# EAGLE board working (EAGLE 9.6.2), part 13 of 28
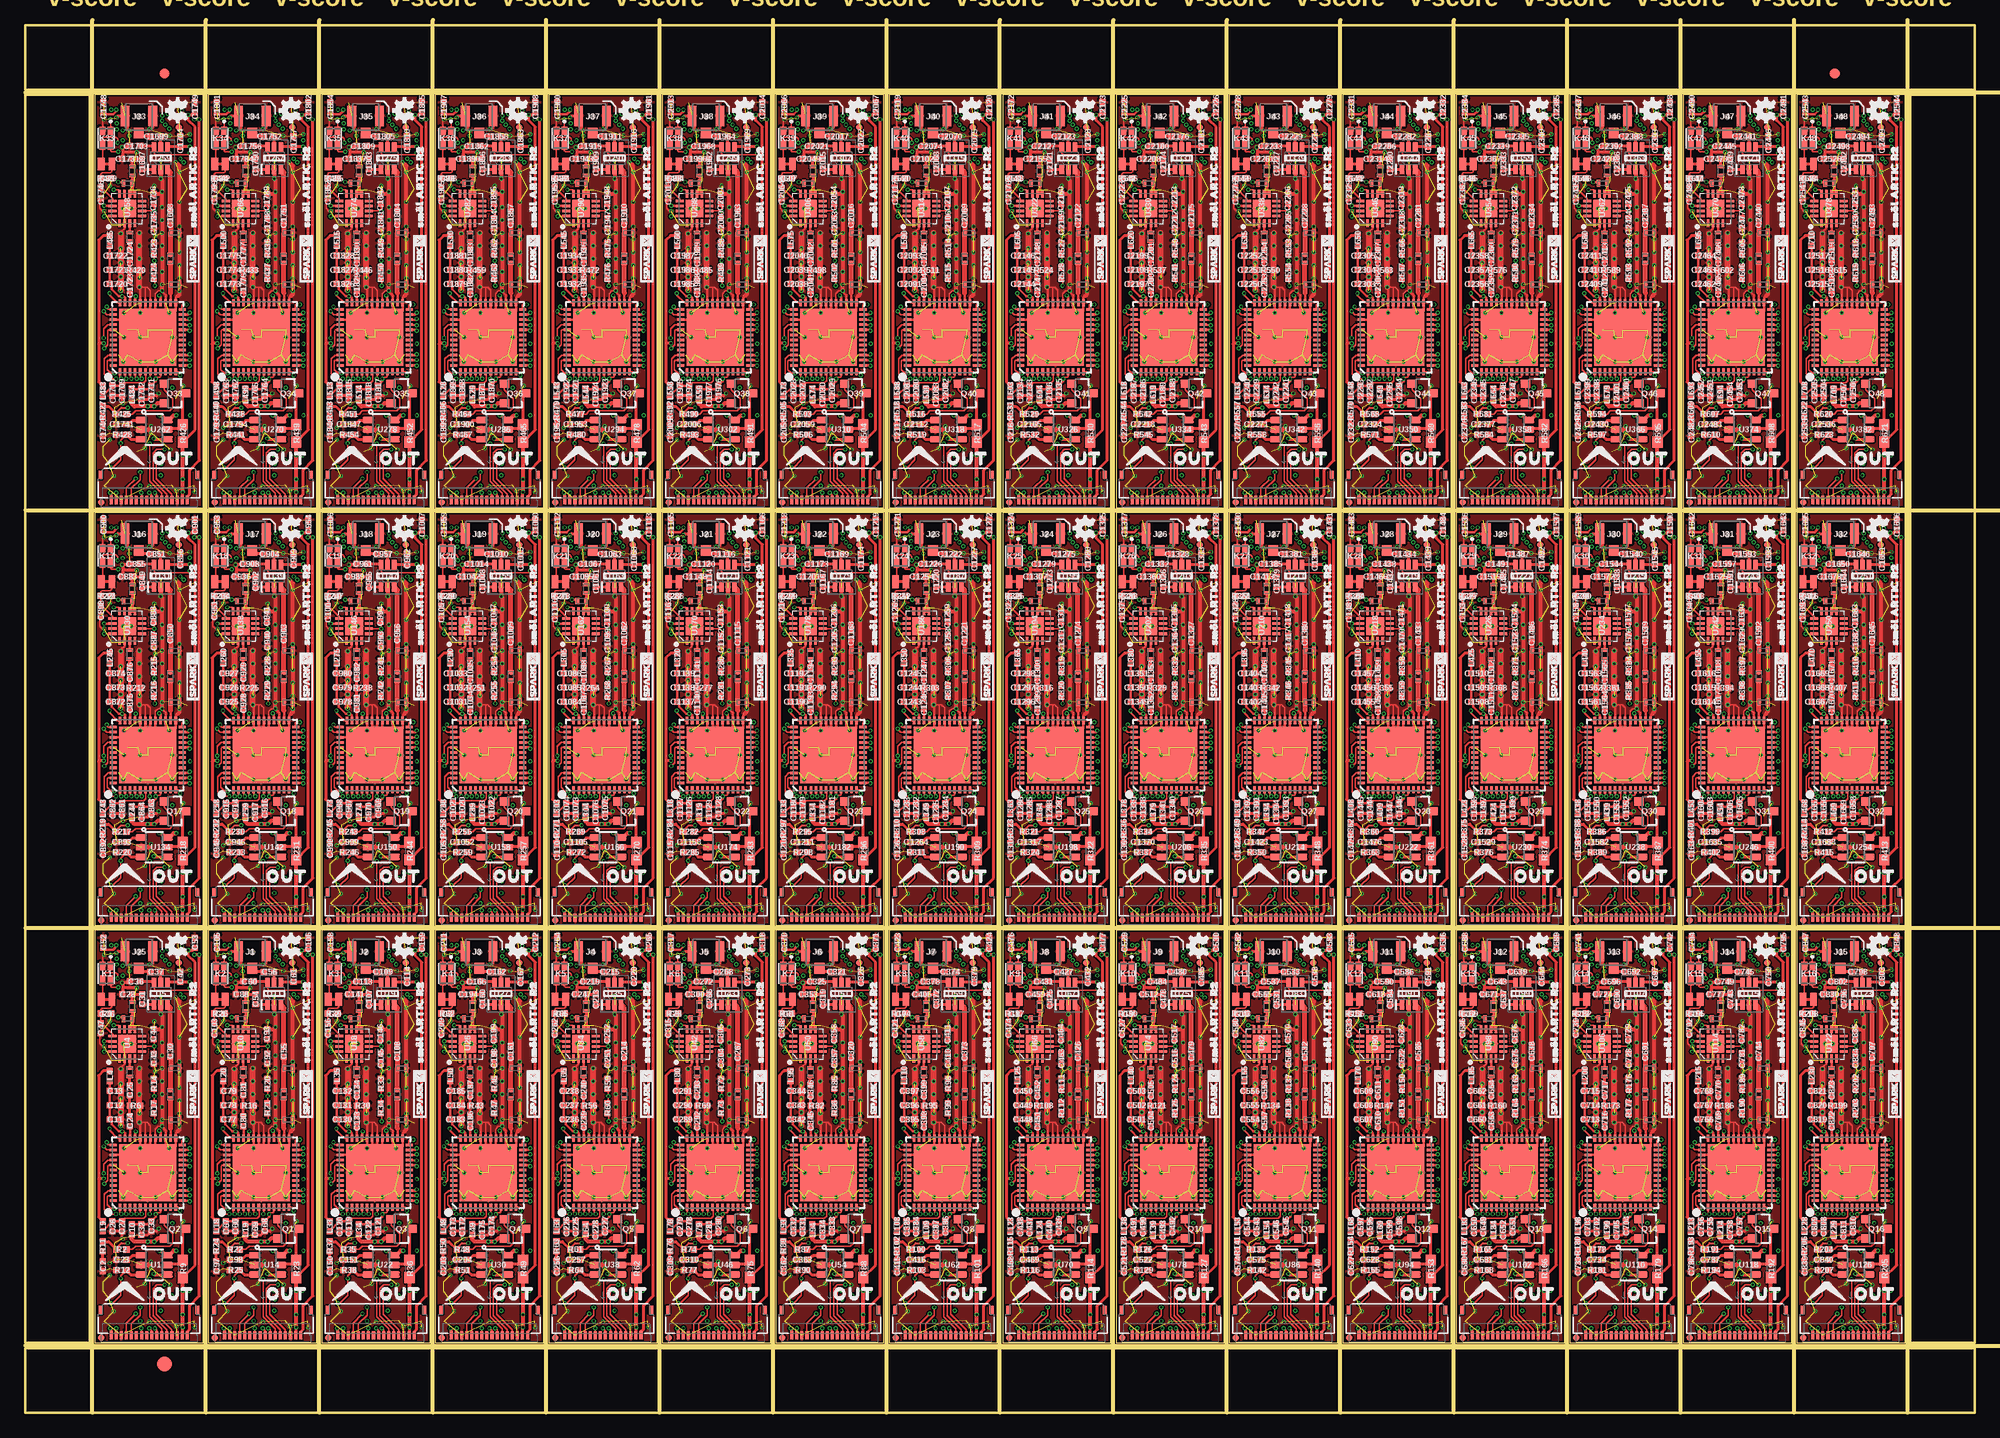
[diagram p0: board, top side]
## Tracks (layer width: path | path; a pad name or v marks a point on that pad's centre or on a via) (continued)
CS24  (via drill 0.2) (continued)
  Route15 0.127: 100,42.01 100,41.68 100.51,41.18 100.51,36.32 100.12,35.94 99,35.94 98.68,35.62 98.68,34.75 98.11,34.18 98.11,29.36 98.53,28.93 98.7,28.93 99.5,28.12 99.5,20.32 99.35,20.17 v99.35,19.56 | 100,42.01 100.51,42.51 100.51,44.67 102.31,46.47 103.95,46.47 104.28,46.14 104.28,45.81 103.43,44.96 v102.87,44.96 | v98.99,43.03 98.99,43.02 100,42.01
  Bottom 0.152: IN8.7 102.35,45.43 102.82,44.96 v102.87,44.96 | v98.99,43.03 98.94,43.03 98.78,43.19 97.67,43.19 CS8.1
CS25  (via drill 0.2)
  Top 0.152: OUT8.7 102.35,8.14 v102.17,8.32
  Route15 0.152: v103.19,44.57 103.77,44.57 105.16,43.18 105.16,41.69 105.74,41.1 105.74,26.75 105.09,26.1 105.09,24.18 105.4,23.87 106.06,23.87 106.3,23.62 106.3,11.68 102.93,8.32 v102.17,8.32
  Bottom 0.152: IN8.8 101.85,45.43 102.71,44.57 103.03,44.57 v103.19,44.57
CS26  (via drill 0.2)
  Top 0.152: OUT8.8 101.85,8.07 v101.6,8.32
  Route15 0.152: v103.57,44.18 104.88,42.87 104.88,41.57 105.46,40.99 105.46,27.61 104.71,26.86 104.71,24.13 105.26,23.59 105.87,23.59 106.02,23.43 106.02,11.8 102.93,8.71 101.99,8.71 v101.6,8.32
  Bottom 0.152: IN8.9 101.35,45.53 102.7,44.18 v103.57,44.18
CS27  (via drill 0.2)
  Top 0.152: U73.2 110.4,19.69 v110.53,19.56
  Route15 0.127: 111.18,42.01 111.18,41.68 111.68,41.18 111.68,36.32 111.3,35.94 110.17,35.94 109.86,35.62 109.86,34.75 109.28,34.18 109.28,29.36 109.71,28.93 109.87,28.93 110.68,28.12 110.68,20.32 110.53,20.17 v110.53,19.56 | 111.18,42.01 111.68,42.51 111.68,44.67 113.49,46.47 115.12,46.47 115.45,46.14 115.45,45.81 114.6,44.96 v114.05,44.96 | v110.17,43.03 110.17,43.02 111.18,42.01
  Bottom 0.152: IN9.7 113.53,45.43 114,44.96 v114.05,44.96 | v110.17,43.03 110.12,43.03 109.95,43.19 108.85,43.19 CS9.1
CS28  (via drill 0.2)
  Top 0.152: OUT9.7 113.53,8.14 v113.35,8.32
  Route15 0.152: v114.37,44.57 114.94,44.57 116.33,43.18 116.33,41.69 116.92,41.1 116.92,26.75 116.27,26.1 116.27,24.18 116.58,23.87 117.23,23.87 117.48,23.62 117.48,11.68 114.11,8.32 v113.35,8.32
  Bottom 0.152: IN9.8 113.03,45.43 113.88,44.57 114.21,44.57 v114.37,44.57
CS29  (via drill 0.2)
  Top 0.152: OUT9.8 113.03,8.07 v112.78,8.32
  Route15 0.152: v114.75,44.18 116.05,42.87 116.05,41.57 116.64,40.99 116.64,27.61 115.89,26.86 115.89,24.13 116.43,23.59 117.04,23.59 117.2,23.43 117.2,11.8 114.11,8.71 113.17,8.71 v112.78,8.32
  Bottom 0.152: IN9.9 112.53,45.53 113.88,44.18 v114.75,44.18
CS30  (via drill 0.2)
  Top 0.152: U81.2 121.58,19.69 v121.7,19.56
  Route15 0.127: 122.35,42.01 122.35,41.68 122.86,41.18 122.86,36.32 122.48,35.94 121.35,35.94 121.03,35.62 121.03,34.75 120.46,34.18 120.46,29.36 120.89,28.93 121.05,28.93 121.86,28.12 121.86,20.32 121.7,20.17 v121.7,19.56 | 122.35,42.01 122.86,42.51 122.86,44.67 124.66,46.47 126.3,46.47 126.63,46.14 126.63,45.81 125.78,44.96 v125.22,44.96 | v121.34,43.03 121.34,43.02 122.35,42.01
  Bottom 0.152: IN10.7 124.7,45.43 125.17,44.96 v125.22,44.96 | v121.34,43.03 121.29,43.03 121.13,43.19 120.03,43.19 CS10.1
CS31  (via drill 0.2)
  Top 0.152: OUT10.7 124.7,8.14 v124.52,8.32
  Route15 0.152: v125.55,44.57 126.12,44.57 127.51,43.18 127.51,41.69 128.09,41.1 128.09,26.75 127.45,26.1 127.45,24.18 127.76,23.87 128.41,23.87 128.65,23.62 128.65,11.68 125.29,8.32 v124.52,8.32
  Bottom 0.152: IN10.8 124.2,45.43 125.06,44.57 125.38,44.57 125.39,44.57 v125.55,44.57
CS32  (via drill 0.2)
  Top 0.152: OUT10.8 124.2,8.07 v123.95,8.32
  Route15 0.152: v125.92,44.18 127.23,42.87 127.23,41.57 127.81,40.99 127.81,27.61 127.06,26.86 127.06,24.13 127.61,23.59 128.22,23.59 128.37,23.43 128.37,11.8 125.28,8.71 124.34,8.71 v123.95,8.32
  Bottom 0.152: IN10.9 123.7,45.53 125.06,44.18 v125.92,44.18
CS33  (via drill 0.2)
  Top 0.152: U89.2 132.75,19.69 v132.88,19.56
  Route15 0.127: 133.53,42.01 133.53,41.68 134.03,41.18 134.03,36.32 133.65,35.94 132.52,35.94 132.21,35.62 132.21,34.75 131.64,34.18 131.64,29.36 132.06,28.93 132.22,28.93 133.03,28.12 133.03,20.32 132.88,20.17 v132.88,19.56 | 133.53,42.01 134.03,42.51 134.03,44.67 135.84,46.47 137.47,46.47 137.81,46.14 137.81,45.81 136.96,44.96 v136.4,44.96 | v132.52,43.03 132.52,43.02 133.53,42.01
  Bottom 0.152: IN11.7 135.88,45.43 136.35,44.96 v136.4,44.96 | v132.52,43.03 132.47,43.03 132.31,43.19 131.2,43.19 CS11.1
CS34  (via drill 0.2)
  Top 0.152: OUT11.7 135.88,8.14 v135.7,8.32
  Route15 0.152: v136.72,44.57 137.29,44.57 138.68,43.18 138.68,41.69 139.27,41.1 139.27,26.75 138.62,26.1 138.62,24.18 138.93,23.87 139.58,23.87 139.83,23.62 139.83,11.68 136.46,8.32 v135.7,8.32
  Bottom 0.152: IN11.8 135.38,45.43 136.24,44.57 136.56,44.57 v136.72,44.57
CS35  (via drill 0.2)
  Top 0.152: OUT11.8 135.38,8.07 v135.13,8.32
  Route15 0.152: v137.1,44.18 138.41,42.87 138.41,41.57 138.99,40.99 138.99,27.61 138.24,26.86 138.24,24.13 138.78,23.59 139.39,23.59 139.55,23.43 139.55,11.8 136.46,8.71 135.52,8.71 v135.13,8.32
  Bottom 0.152: IN11.9 134.88,45.53 136.23,44.18 v137.1,44.18
CS36  (via drill 0.2)
  Top 0.152: U97.2 143.93,19.69 v144.06,19.56
  Route15 0.127: 144.71,42.01 144.71,41.68 145.21,41.18 145.21,36.32 144.83,35.94 143.7,35.94 143.38,35.62 143.38,34.75 142.81,34.18 142.81,29.36 143.24,28.93 143.4,28.93 144.21,28.12 144.21,20.32 144.06,20.17 v144.06,19.56 | 144.71,42.01 145.21,42.51 145.21,44.67 147.01,46.47 148.65,46.47 148.98,46.14 148.98,45.81 148.13,44.96 v147.57,44.96 | v143.7,43.03 143.7,43.02 144.71,42.01
  Bottom 0.152: IN12.7 147.05,45.43 147.52,44.96 v147.57,44.96 | v143.7,43.03 143.65,43.03 143.48,43.19 142.38,43.19 CS12.1
CS37  (via drill 0.2)
  Top 0.152: OUT12.7 147.05,8.14 v146.88,8.32
  Route15 0.152: v147.9,44.57 148.47,44.57 149.86,43.18 149.86,41.69 150.44,41.1 150.44,26.75 149.8,26.1 149.8,24.18 150.11,23.87 150.76,23.87 151,23.62 151,11.68 147.64,8.32 v146.88,8.32
  Bottom 0.152: IN12.8 146.55,45.43 147.41,44.57 147.74,44.57 v147.9,44.57
CS38  (via drill 0.2)
  Top 0.152: OUT12.8 146.55,8.07 v146.3,8.32
  Route15 0.152: v148.28,44.18 149.58,42.87 149.58,41.57 150.16,40.99 150.16,27.61 149.42,26.86 149.42,24.13 149.96,23.59 150.57,23.59 150.72,23.43 150.72,11.8 147.63,8.71 146.69,8.71 v146.3,8.32
  Bottom 0.152: IN12.9 146.05,45.53 147.41,44.18 v148.28,44.18
CS39  (via drill 0.2)
  Top 0.152: U105.2 155.1,19.69 v155.23,19.56
  Route15 0.127: 155.88,42.01 155.88,41.68 156.39,41.18 156.39,36.32 156,35.94 154.88,35.94 154.56,35.62 154.56,34.75 153.99,34.18 153.99,29.36 154.41,28.93 154.58,28.93 155.38,28.12 155.38,20.32 155.23,20.17 v155.23,19.56 | 155.88,42.01 156.39,42.51 156.39,44.67 158.19,46.47 159.83,46.47 160.16,46.14 160.16,45.81 159.31,44.96 v158.75,44.96 | v154.87,43.03 154.87,43.02 155.88,42.01
  Bottom 0.152: IN13.7 158.23,45.43 158.7,44.96 v158.75,44.96 | v154.87,43.03 154.82,43.03 154.66,43.19 153.55,43.19 CS13.1
CS40  (via drill 0.2)
  Top 0.152: OUT13.7 158.23,8.14 v158.05,8.32
  Route15 0.152: v159.07,44.57 159.65,44.57 161.04,43.18 161.04,41.69 161.62,41.1 161.62,26.75 160.97,26.1 160.97,24.18 161.28,23.87 161.94,23.87 162.18,23.62 162.18,11.68 158.81,8.32 v158.05,8.32
  Bottom 0.152: IN13.8 157.73,45.43 158.59,44.57 158.91,44.57 v159.07,44.57
CS41  (via drill 0.2)
  Top 0.152: OUT13.8 157.73,8.07 v157.48,8.32
  Route15 0.152: v159.45,44.18 160.76,42.87 160.76,41.57 161.34,40.99 161.34,27.61 160.59,26.86 160.59,24.13 161.14,23.59 161.75,23.59 161.9,23.43 161.9,11.8 158.81,8.71 157.87,8.71 v157.48,8.32
  Bottom 0.152: IN13.9 157.23,45.53 158.59,44.18 v159.45,44.18
CS42  (via drill 0.2)
  Top 0.152: U113.2 166.28,19.69 v166.41,19.56
  Route15 0.127: 167.06,42.01 167.06,41.68 167.56,41.18 167.56,36.32 167.18,35.94 166.05,35.94 165.74,35.62 165.74,34.75 165.16,34.18 165.16,29.36 165.59,28.93 165.75,28.93 166.56,28.12 166.56,20.32 166.41,20.17 v166.41,19.56 | 167.06,42.01 167.56,42.51 167.56,44.67 169.37,46.47 171,46.47 171.33,46.14 171.33,45.81 170.48,44.96 v169.93,44.96 | v166.05,43.03 166.05,43.02 167.06,42.01
  Bottom 0.152: IN14.7 169.41,45.43 169.88,44.96 v169.93,44.96 | v166.05,43.03 166,43.03 165.83,43.19 164.73,43.19 CS14.1
CS43  (via drill 0.2)
  Top 0.152: OUT14.7 169.41,8.14 v169.23,8.32
  Route15 0.152: v170.25,44.57 170.82,44.57 172.21,43.18 172.21,41.69 172.8,41.1 172.8,26.75 172.15,26.1 172.15,24.18 172.46,23.87 173.11,23.87 173.36,23.62 173.36,11.68 169.99,8.32 v169.23,8.32
  Bottom 0.152: IN14.8 168.91,45.43 169.76,44.57 170.09,44.57 v170.25,44.57
CS44  (via drill 0.2)
  Top 0.152: OUT14.8 168.91,8.07 v168.66,8.32
  Route15 0.152: v170.63,44.18 171.93,42.87 171.93,41.57 172.52,40.99 172.52,27.61 171.77,26.86 171.77,24.13 172.31,23.59 172.92,23.59 173.08,23.43 173.08,11.8 169.99,8.71 169.05,8.71 v168.66,8.32
  Bottom 0.152: IN14.9 168.41,45.53 169.76,44.18 v170.63,44.18
CS45  (via drill 0.2)
  Top 0.152: U121.2 177.46,19.69 v177.58,19.56
  Route15 0.127: 178.23,42.01 178.23,41.68 178.74,41.18 178.74,36.32 178.36,35.94 177.23,35.94 176.91,35.62 176.91,34.75 176.34,34.18 176.34,29.36 176.77,28.93 176.93,28.93 177.74,28.12 177.74,20.32 177.58,20.17 v177.58,19.56 | 178.23,42.01 178.74,42.51 178.74,44.67 180.54,46.47 182.18,46.47 182.51,46.14 182.51,45.81 181.66,44.96 v181.1,44.96 | v177.22,43.03 177.22,43.02 178.23,42.01
  Bottom 0.152: IN15.7 180.58,45.43 181.05,44.96 v181.1,44.96 | v177.22,43.03 177.17,43.03 177.01,43.19 175.91,43.19 CS15.1
CS46  (via drill 0.2)
  Top 0.152: OUT15.7 180.58,8.14 v180.4,8.32
  Route15 0.152: v181.43,44.57 182,44.57 183.39,43.18 183.39,41.69 183.97,41.1 183.97,26.75 183.32,26.1 183.32,24.18 183.64,23.87 184.29,23.87 184.53,23.62 184.53,11.68 181.17,8.32 v180.4,8.32
  Bottom 0.152: IN15.8 180.08,45.43 180.94,44.57 181.26,44.57 181.27,44.57 v181.43,44.57
CS47  (via drill 0.2)
  Top 0.152: OUT15.8 180.08,8.07 v179.83,8.32
  Route15 0.152: v181.8,44.18 183.11,42.87 183.11,41.57 183.69,40.99 183.69,27.61 182.94,26.86 182.94,24.13 183.49,23.59 184.1,23.59 184.25,23.43 184.25,11.8 181.16,8.71 180.22,8.71 v179.83,8.32
  Bottom 0.152: IN15.9 179.58,45.53 180.94,44.18 v181.8,44.18
CS48  (via drill 0.2)
  Top 0.152: U129.2 9.81,60.83 v9.94,60.71
  Route15 0.127: 10.59,83.16 10.59,82.83 11.1,82.33 11.1,77.47 10.72,77.09 9.59,77.09 9.27,76.77 9.27,75.9 8.7,75.33 8.7,70.51 9.12,70.08 9.29,70.08 10.09,69.27 10.09,61.47 9.94,61.32 v9.94,60.71 | 10.59,83.16 11.1,83.66 11.1,85.81 12.9,87.62 14.54,87.62 14.87,87.28 14.87,86.96 14.02,86.11 v13.46,86.11 | v9.58,84.17 9.58,84.17 10.59,83.16
  Bottom 0.152: IN16.7 12.94,86.58 13.41,86.11 v13.46,86.11 | v9.58,84.17 9.53,84.17 9.37,84.34 8.27,84.34 CS16.1
CS49  (via drill 0.2)
  Top 0.152: OUT16.7 12.94,49.29 v12.76,49.47
  Route15 0.152: v13.79,85.72 14.36,85.72 15.75,84.33 15.75,82.84 16.33,82.25 16.33,67.89 15.68,67.25 15.68,65.33 16,65.01 16.65,65.01 16.89,64.77 16.89,52.83 13.53,49.47 v12.76,49.47
  Bottom 0.152: IN16.8 12.44,86.58 13.3,85.72 13.62,85.72 13.63,85.72 v13.79,85.72
CS50  (via drill 0.2)
  Top 0.152: OUT16.8 12.44,49.22 v12.19,49.47
  Route15 0.152: v14.16,85.33 15.47,84.02 15.47,82.72 16.05,82.14 16.05,68.76 15.3,68.01 15.3,65.28 15.85,64.73 16.46,64.73 16.61,64.58 16.61,52.95 13.52,49.86 12.58,49.86 v12.19,49.47
  Bottom 0.152: IN16.9 11.94,86.68 13.3,85.33 v14.16,85.33
CS51  (via drill 0.2)
  Top 0.152: U137.2 20.99,60.83 v21.12,60.71
  Route15 0.127: 21.77,83.16 21.77,82.83 22.27,82.33 22.27,77.47 21.89,77.09 20.76,77.09 20.45,76.77 20.45,75.9 19.88,75.33 19.88,70.51 20.3,70.08 20.46,70.08 21.27,69.27 21.27,61.47 21.12,61.32 v21.12,60.71 | 21.77,83.16 22.27,83.66 22.27,85.81 24.08,87.62 25.71,87.62 26.05,87.28 26.05,86.96 25.2,86.11 v24.64,86.11 | v20.76,84.17 20.76,84.17 21.77,83.16
  Bottom 0.152: IN17.7 24.12,86.58 24.59,86.11 v24.64,86.11 | v20.76,84.17 20.71,84.17 20.55,84.34 19.44,84.34 CS17.1
CS52  (via drill 0.2)
  Top 0.152: OUT17.7 24.12,49.29 v23.94,49.47
  Route15 0.152: v24.96,85.72 25.53,85.72 26.92,84.33 26.92,82.84 27.51,82.25 27.51,67.89 26.86,67.25 26.86,65.33 27.17,65.01 27.82,65.01 28.07,64.77 28.07,52.83 24.7,49.47 v23.94,49.47
  Bottom 0.152: IN17.8 23.62,86.58 24.48,85.72 24.8,85.72 v24.96,85.72
CS53  (via drill 0.2)
  Top 0.152: OUT17.8 23.62,49.22 v23.37,49.47
  Route15 0.152: v25.34,85.33 26.64,84.02 26.64,82.72 27.23,82.14 27.23,68.76 26.48,68.01 26.48,65.28 27.02,64.73 27.63,64.73 27.79,64.58 27.79,52.95 24.7,49.86 23.76,49.86 v23.37,49.47
  Bottom 0.152: IN17.9 23.12,86.68 24.47,85.33 v25.34,85.33
CS54  (via drill 0.2)
  Top 0.152: U145.2 32.17,60.83 v32.3,60.71
  Route15 0.127: 32.95,83.16 32.95,82.83 33.45,82.33 33.45,77.47 33.07,77.09 31.94,77.09 31.62,76.77 31.62,75.9 31.05,75.33 31.05,70.51 31.48,70.08 31.64,70.08 32.45,69.27 32.45,61.47 32.3,61.32 v32.3,60.71 | 32.95,83.16 33.45,83.66 33.45,85.81 35.25,87.62 36.89,87.62 37.22,87.28 37.22,86.96 36.37,86.11 v35.81,86.11 | v31.94,84.17 31.94,84.17 32.95,83.16
  Bottom 0.152: IN18.7 35.29,86.58 35.76,86.11 v35.81,86.11 | v31.94,84.17 31.89,84.17 31.72,84.34 30.62,84.34 CS18.1
CS55  (via drill 0.2)
  Top 0.152: OUT18.7 35.29,49.29 v35.12,49.47
  Route15 0.152: v36.14,85.72 36.71,85.72 38.1,84.33 38.1,82.84 38.68,82.25 38.68,67.89 38.04,67.25 38.04,65.33 38.35,65.01 39,65.01 39.24,64.77 39.24,52.83 35.88,49.47 v35.12,49.47
  Bottom 0.152: IN18.8 34.79,86.58 35.65,85.72 35.98,85.72 v36.14,85.72
CS56  (via drill 0.2)
  Top 0.152: OUT18.8 34.79,49.22 v34.54,49.47
  Route15 0.152: v36.52,85.33 37.82,84.02 37.82,82.72 38.4,82.14 38.4,68.76 37.66,68.01 37.66,65.28 38.2,64.73 38.81,64.73 38.96,64.58 38.96,52.95 35.87,49.86 34.94,49.86 v34.54,49.47
  Bottom 0.152: IN18.9 34.29,86.68 35.65,85.33 v36.52,85.33
CS57  (via drill 0.2)
  Top 0.152: U153.2 43.34,60.83 v43.47,60.71
  Route15 0.127: 44.12,83.16 44.12,82.83 44.63,82.33 44.63,77.47 44.24,77.09 43.12,77.09 42.8,76.77 42.8,75.9 42.23,75.33 42.23,70.51 42.65,70.08 42.82,70.08 43.62,69.27 43.62,61.47 43.47,61.32 v43.47,60.71 | 44.12,83.16 44.63,83.66 44.63,85.81 46.43,87.62 48.06,87.62 48.4,87.28 48.4,86.96 47.55,86.11 v46.99,86.11 | v43.11,84.17 43.11,84.17 44.12,83.16
  Bottom 0.152: IN19.7 46.47,86.58 46.94,86.11 v46.99,86.11 | v43.11,84.17 43.06,84.17 42.9,84.34 41.79,84.34 CS19.1
CS58  (via drill 0.2)
  Top 0.152: OUT19.7 46.47,49.29 v46.29,49.47
  Route15 0.152: v47.31,85.72 47.88,85.72 49.28,84.33 49.28,82.84 49.86,82.25 49.86,67.89 49.21,67.25 49.21,65.33 49.52,65.01 50.18,65.01 50.42,64.77 50.42,52.83 47.05,49.47 v46.29,49.47
  Bottom 0.152: IN19.8 45.97,86.58 46.83,85.72 47.15,85.72 v47.31,85.72
CS59  (via drill 0.2)
  Top 0.152: OUT19.8 45.97,49.22 v45.72,49.47
  Route15 0.152: v47.69,85.33 49,84.02 49,82.72 49.58,82.14 49.58,68.76 48.83,68.01 48.83,65.28 49.38,64.73 49.99,64.73 50.14,64.58 50.14,52.95 47.05,49.86 46.11,49.86 v45.72,49.47
  Bottom 0.152: IN19.9 45.47,86.68 46.82,85.33 v47.69,85.33
CS60  (via drill 0.2)
  Top 0.152: U161.2 54.52,60.83 v54.65,60.71
  Route15 0.127: 55.3,83.16 55.3,82.83 55.8,82.33 55.8,77.47 55.42,77.09 54.29,77.09 53.97,76.77 53.97,75.9 53.4,75.33 53.4,70.51 53.83,70.08 53.99,70.08 54.8,69.27 54.8,61.47 54.65,61.32 v54.65,60.71 | 55.3,83.16 55.8,83.66 55.8,85.81 57.61,87.62 59.24,87.62 59.57,87.28 59.57,86.96 58.72,86.11 v58.17,86.11 | v54.29,84.17 54.29,84.17 55.3,83.16
  Bottom 0.152: IN20.7 57.65,86.58 58.12,86.11 v58.17,86.11 | v54.29,84.17 54.24,84.17 54.07,84.34 52.97,84.34 CS20.1
CS61  (via drill 0.2)
  Top 0.152: OUT20.7 57.65,49.29 v57.47,49.47
  Route15 0.152: v58.49,85.72 59.06,85.72 60.45,84.33 60.45,82.84 61.03,82.25 61.03,67.89 60.39,67.25 60.39,65.33 60.7,65.01 61.35,65.01 61.59,64.77 61.59,52.83 58.23,49.47 v57.47,49.47
  Bottom 0.152: IN20.8 57.15,86.58 58,85.72 58.33,85.72 v58.49,85.72
CS62  (via drill 0.2)
  Top 0.152: OUT20.8 57.15,49.22 v56.9,49.47
  Route15 0.152: v58.87,85.33 60.17,84.02 60.17,82.72 60.75,82.14 60.75,68.76 60.01,68.01 60.01,65.28 60.55,64.73 61.16,64.73 61.32,64.58 61.32,52.95 58.23,49.86 57.29,49.86 v56.9,49.47
  Bottom 0.152: IN20.9 56.65,86.68 58,85.33 v58.87,85.33
CS63  (via drill 0.2)
  Top 0.152: U169.2 65.7,60.83 v65.82,60.71
  Route15 0.127: 66.47,83.16 66.47,82.83 66.98,82.33 66.98,77.47 66.6,77.09 65.47,77.09 65.15,76.77 65.15,75.9 64.58,75.33 64.58,70.51 65,70.08 65.17,70.08 65.97,69.27 65.97,61.47 65.82,61.32 v65.82,60.71 | 66.47,83.16 66.98,83.66 66.98,85.81 68.78,87.62 70.42,87.62 70.75,87.28 70.75,86.96 69.9,86.11 v69.34,86.11 | v65.47,84.17 65.47,84.17 66.47,83.16
  Bottom 0.152: IN21.7 68.82,86.58 69.29,86.11 v69.34,86.11 | v65.47,84.17 65.41,84.17 65.25,84.34 64.15,84.34 CS21.1
CS64  (via drill 0.2)
  Top 0.152: OUT21.7 68.82,49.29 v68.64,49.47
  Route15 0.152: v69.67,85.72 70.24,85.72 71.63,84.33 71.63,82.84 72.21,82.25 72.21,67.89 71.56,67.25 71.56,65.33 71.88,65.01 72.53,65.01 72.77,64.77 72.77,52.83 69.41,49.47 v68.64,49.47
  Bottom 0.152: IN21.8 68.32,86.58 69.18,85.72 69.5,85.72 69.51,85.72 v69.67,85.72
CS65  (via drill 0.2)
  Top 0.152: OUT21.8 68.32,49.22 v68.07,49.47
  Route15 0.152: v70.04,85.33 71.35,84.02 71.35,82.72 71.93,82.14 71.93,68.76 71.18,68.01 71.18,65.28 71.73,64.73 72.34,64.73 72.49,64.58 72.49,52.95 69.4,49.86 68.46,49.86 v68.07,49.47
  Bottom 0.152: IN21.9 67.82,86.68 69.18,85.33 v70.04,85.33
CS66  (via drill 0.2)
  Top 0.152: U177.2 76.87,60.83 v77,60.71
  Route15 0.127: 77.65,83.16 77.65,82.83 78.15,82.33 78.15,77.47 77.77,77.09 76.65,77.09 76.33,76.77 76.33,75.9 75.76,75.33 75.76,70.51 76.18,70.08 76.34,70.08 77.15,69.27 77.15,61.47 77,61.32 v77,60.71 | 77.65,83.16 78.15,83.66 78.15,85.81 79.96,87.62 81.59,87.62 81.93,87.28 81.93,86.96 81.08,86.11 v80.52,86.11 | v76.64,84.17 76.64,84.17 77.65,83.16
  Bottom 0.152: IN22.7 80,86.58 80.47,86.11 v80.52,86.11 | v76.64,84.17 76.59,84.17 76.43,84.34 75.32,84.34 CS22.1
CS67  (via drill 0.2)
  Top 0.152: OUT22.7 80,49.29 v79.82,49.47
  Route15 0.152: v80.84,85.72 81.41,85.72 82.8,84.33 82.8,82.84 83.39,82.25 83.39,67.89 82.74,67.25 82.74,65.33 83.05,65.01 83.7,65.01 83.95,64.77 83.95,52.83 80.58,49.47 v79.82,49.47
  Bottom 0.152: IN22.8 79.5,86.58 80.36,85.72 80.68,85.72 v80.84,85.72
CS68  (via drill 0.2)
  Top 0.152: OUT22.8 79.5,49.22 v79.25,49.47
  Route15 0.152: v81.22,85.33 82.53,84.02 82.53,82.72 83.11,82.14 83.11,68.76 82.36,68.01 82.36,65.28 82.9,64.73 83.51,64.73 83.67,64.58 83.67,52.95 80.58,49.86 79.64,49.86 v79.25,49.47
  Bottom 0.152: IN22.9 79,86.68 80.35,85.33 v81.22,85.33
CS69  (via drill 0.2)
  Top 0.152: U185.2 88.05,60.83 v88.18,60.71
  Route15 0.127: 88.83,83.16 88.83,82.83 89.33,82.33 89.33,77.47 88.95,77.09 87.82,77.09 87.5,76.77 87.5,75.9 86.93,75.33 86.93,70.51 87.36,70.08 87.52,70.08 88.33,69.27 88.33,61.47 88.18,61.32 v88.18,60.71 | 88.83,83.16 89.33,83.66 89.33,85.81 91.13,87.62 92.77,87.62 93.1,87.28 93.1,86.96 92.25,86.11 v91.69,86.11 | v87.82,84.17 87.82,84.17 88.83,83.16
  Bottom 0.152: IN23.7 91.17,86.58 91.64,86.11 v91.69,86.11 | v87.82,84.17 87.77,84.17 87.6,84.34 86.5,84.34 CS23.1
CS70  (via drill 0.2)
  Top 0.152: OUT23.7 91.17,49.29 v91,49.47
  Route15 0.152: v92.02,85.72 92.59,85.72 93.98,84.33 93.98,82.84 94.56,82.25 94.56,67.89 93.92,67.25 93.92,65.33 94.23,65.01 94.88,65.01 95.12,64.77 95.12,52.83 91.76,49.47 v91,49.47
  Bottom 0.152: IN23.8 90.67,86.58 91.53,85.72 91.86,85.72 v92.02,85.72
CS71  (via drill 0.2)
  Top 0.152: OUT23.8 90.67,49.22 v90.42,49.47
  Route15 0.152: v92.4,85.33 93.7,84.02 93.7,82.72 94.28,82.14 94.28,68.76 93.54,68.01 93.54,65.28 94.08,64.73 94.69,64.73 94.84,64.58 94.84,52.95 91.75,49.86 90.81,49.86 v90.42,49.47
  Bottom 0.152: IN23.9 90.17,86.68 91.53,85.33 v92.4,85.33
CS72  (via drill 0.2)
  Top 0.152: U193.2 99.22,60.83 v99.35,60.71
  Route15 0.127: 100,83.16 100,82.83 100.51,82.33 100.51,77.47 100.12,77.09 99,77.09 98.68,76.77 98.68,75.9 98.11,75.33 98.11,70.51 98.53,70.08 98.7,70.08 99.5,69.27 99.5,61.47 99.35,61.32 v99.35,60.71 | 100,83.16 100.51,83.66 100.51,85.81 102.31,87.62 103.95,87.62 104.28,87.28 104.28,86.96 103.43,86.11 v102.87,86.11 | v98.99,84.17 98.99,84.17 100,83.16
  Bottom 0.152: IN24.7 102.35,86.58 102.82,86.11 v102.87,86.11 | v98.99,84.17 98.94,84.17 98.78,84.34 97.67,84.34 CS24.1
CS73  (via drill 0.2)
  Top 0.152: OUT24.7 102.35,49.29 v102.17,49.47
  Route15 0.152: v103.19,85.72 103.77,85.72 105.16,84.33 105.16,82.84 105.74,82.25 105.74,67.89 105.09,67.25 105.09,65.33 105.4,65.01 106.06,65.01 106.3,64.77 106.3,52.83 102.93,49.47 v102.17,49.47
  Bottom 0.152: IN24.8 101.85,86.58 102.71,85.72 103.03,85.72 v103.19,85.72
CS74  (via drill 0.2)
  Top 0.152: OUT24.8 101.85,49.22 v101.6,49.47
  Route15 0.152: v103.57,85.33 104.88,84.02 104.88,82.72 105.46,82.14 105.46,68.76 104.71,68.01 104.71,65.28 105.26,64.73 105.87,64.73 106.02,64.58 106.02,52.95 102.93,49.86 101.99,49.86 v101.6,49.47
  Bottom 0.152: IN24.9 101.35,86.68 102.7,85.33 v103.57,85.33
CS75  (via drill 0.2)
  Top 0.152: U201.2 110.4,60.83 v110.53,60.71
  Route15 0.127: 111.18,83.16 111.18,82.83 111.68,82.33 111.68,77.47 111.3,77.09 110.17,77.09 109.86,76.77 109.86,75.9 109.28,75.33 109.28,70.51 109.71,70.08 109.87,70.08 110.68,69.27 110.68,61.47 110.53,61.32 v110.53,60.71 | 111.18,83.16 111.68,83.66 111.68,85.81 113.49,87.62 115.12,87.62 115.45,87.28 115.45,86.96 114.6,86.11 v114.05,86.11 | v110.17,84.17 110.17,84.17 111.18,83.16
  Bottom 0.152: IN25.7 113.53,86.58 114,86.11 v114.05,86.11 | v110.17,84.17 110.12,84.17 109.95,84.34 108.85,84.34 CS25.1
CS76  (via drill 0.2)
  Top 0.152: OUT25.7 113.53,49.29 v113.35,49.47
  Route15 0.152: v114.37,85.72 114.94,85.72 116.33,84.33 116.33,82.84 116.92,82.25 116.92,67.89 116.27,67.25 116.27,65.33 116.58,65.01 117.23,65.01 117.48,64.77 117.48,52.83 114.11,49.47 v113.35,49.47
  Bottom 0.152: IN25.8 113.03,86.58 113.88,85.72 114.21,85.72 v114.37,85.72
CS77  (via drill 0.2)
  Top 0.152: OUT25.8 113.03,49.22 v112.78,49.47
  Route15 0.152: v114.75,85.33 116.05,84.02 116.05,82.72 116.64,82.14 116.64,68.76 115.89,68.01 115.89,65.28 116.43,64.73 117.04,64.73 117.2,64.58 117.2,52.95 114.11,49.86 113.17,49.86 v112.78,49.47
  Bottom 0.152: IN25.9 112.53,86.68 113.88,85.33 v114.75,85.33
CS78  (via drill 0.2)
  Top 0.152: U209.2 121.58,60.83 v121.7,60.71
  Route15 0.127: 122.35,83.16 122.35,82.83 122.86,82.33 122.86,77.47 122.48,77.09 121.35,77.09 121.03,76.77 121.03,75.9 120.46,75.33 120.46,70.51 120.89,70.08 121.05,70.08 121.86,69.27 121.86,61.47 121.7,61.32 v121.7,60.71 | 122.35,83.16 122.86,83.66 122.86,85.81 124.66,87.62 126.3,87.62 126.63,87.28 126.63,86.96 125.78,86.11 v125.22,86.11 | v121.34,84.17 121.34,84.17 122.35,83.16
  Bottom 0.152: IN26.7 124.7,86.58 125.17,86.11 v125.22,86.11 | v121.34,84.17 121.29,84.17 121.13,84.34 120.03,84.34 CS26.1
CS79  (via drill 0.2)
  Top 0.152: OUT26.7 124.7,49.29 v124.52,49.47
  Route15 0.152: v125.55,85.72 126.12,85.72 127.51,84.33 127.51,82.84 128.09,82.25 128.09,67.89 127.45,67.25 127.45,65.33 127.76,65.01 128.41,65.01 128.65,64.77 128.65,52.83 125.29,49.47 v124.52,49.47
  Bottom 0.152: IN26.8 124.2,86.58 125.06,85.72 125.38,85.72 125.39,85.72 v125.55,85.72
CS80  (via drill 0.2)
  Top 0.152: OUT26.8 124.2,49.22 v123.95,49.47
  Route15 0.152: v125.92,85.33 127.23,84.02 127.23,82.72 127.81,82.14 127.81,68.76 127.06,68.01 127.06,65.28 127.61,64.73 128.22,64.73 128.37,64.58 128.37,52.95 125.28,49.86 124.34,49.86 v123.95,49.47
  Bottom 0.152: IN26.9 123.7,86.68 125.06,85.33 v125.92,85.33
CS81  (via drill 0.2)
  Top 0.152: U217.2 132.75,60.83 v132.88,60.71
  Route15 0.127: 133.53,83.16 133.53,82.83 134.03,82.33 134.03,77.47 133.65,77.09 132.52,77.09 132.21,76.77 132.21,75.9 131.64,75.33 131.64,70.51 132.06,70.08 132.22,70.08 133.03,69.27 133.03,61.47 132.88,61.32 v132.88,60.71 | 133.53,83.16 134.03,83.66 134.03,85.81 135.84,87.62 137.47,87.62 137.81,87.28 137.81,86.96 136.96,86.11 v136.4,86.11 | v132.52,84.17 132.52,84.17 133.53,83.16
  Bottom 0.152: IN27.7 135.88,86.58 136.35,86.11 v136.4,86.11 | v132.52,84.17 132.47,84.17 132.31,84.34 131.2,84.34 CS27.1
CS82  (via drill 0.2)
  Top 0.152: OUT27.7 135.88,49.29 v135.7,49.47
  Route15 0.152: v136.72,85.72 137.29,85.72 138.68,84.33 138.68,82.84 139.27,82.25 139.27,67.89 138.62,67.25 138.62,65.33 138.93,65.01 139.58,65.01 139.83,64.77 139.83,52.83 136.46,49.47 v135.7,49.47
  Bottom 0.152: IN27.8 135.38,86.58 136.24,85.72 136.56,85.72 v136.72,85.72
CS83  (via drill 0.2)
  Top 0.152: OUT27.8 135.38,49.22 v135.13,49.47
  Route15 0.152: v137.1,85.33 138.41,84.02 138.41,82.72 138.99,82.14 138.99,68.76 138.24,68.01 138.24,65.28 138.78,64.73 139.39,64.73 139.55,64.58 139.55,52.95 136.46,49.86 135.52,49.86 v135.13,49.47
  Bottom 0.152: IN27.9 134.88,86.68 136.23,85.33 v137.1,85.33
CS84  (via drill 0.2)
  Top 0.152: U225.2 143.93,60.83 v144.06,60.71
  Route15 0.127: 144.71,83.16 144.71,82.83 145.21,82.33 145.21,77.47 144.83,77.09 143.7,77.09 143.38,76.77 143.38,75.9 142.81,75.33 142.81,70.51 143.24,70.08 143.4,70.08 144.21,69.27 144.21,61.47 144.06,61.32 v144.06,60.71 | 144.71,83.16 145.21,83.66 145.21,85.81 147.01,87.62 148.65,87.62 148.98,87.28 148.98,86.96 148.13,86.11 v147.57,86.11 | v143.7,84.17 143.7,84.17 144.71,83.16
  Bottom 0.152: IN28.7 147.05,86.58 147.52,86.11 v147.57,86.11 | v143.7,84.17 143.65,84.17 143.48,84.34 142.38,84.34 CS28.1